# KiCad board SparkFun_GNSS_ZED-X20P_panelized.kicad_pcb
note: Designed by: N. Seidle
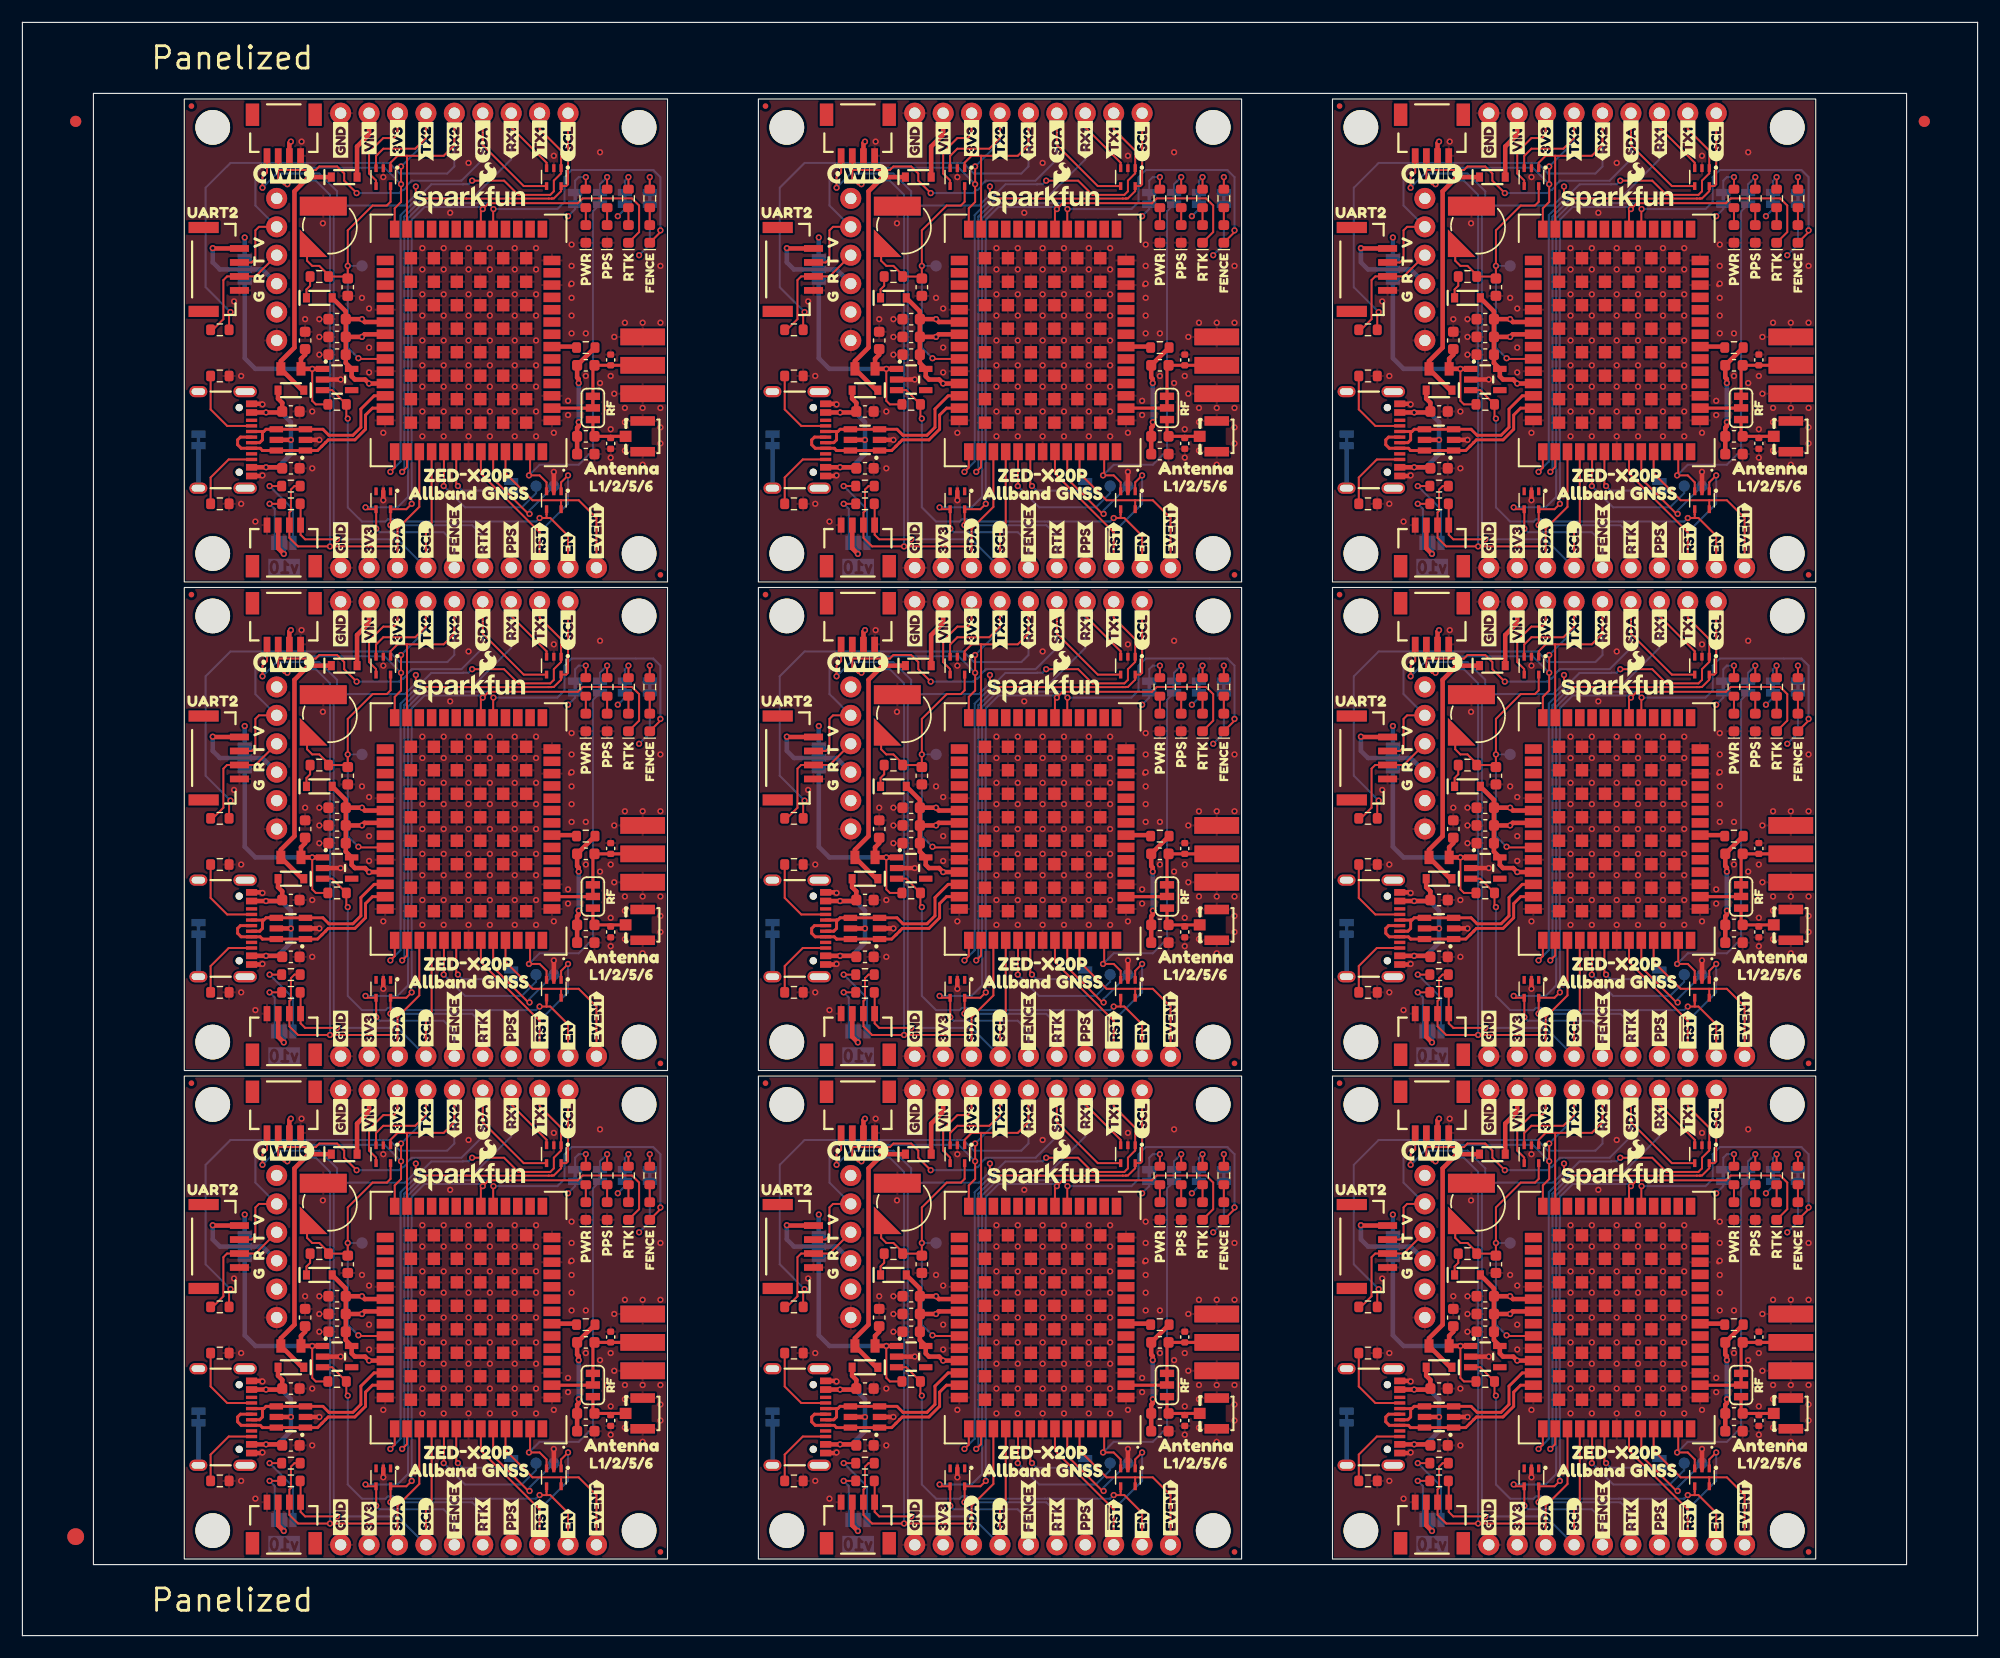
[diagram p0: board, top side]
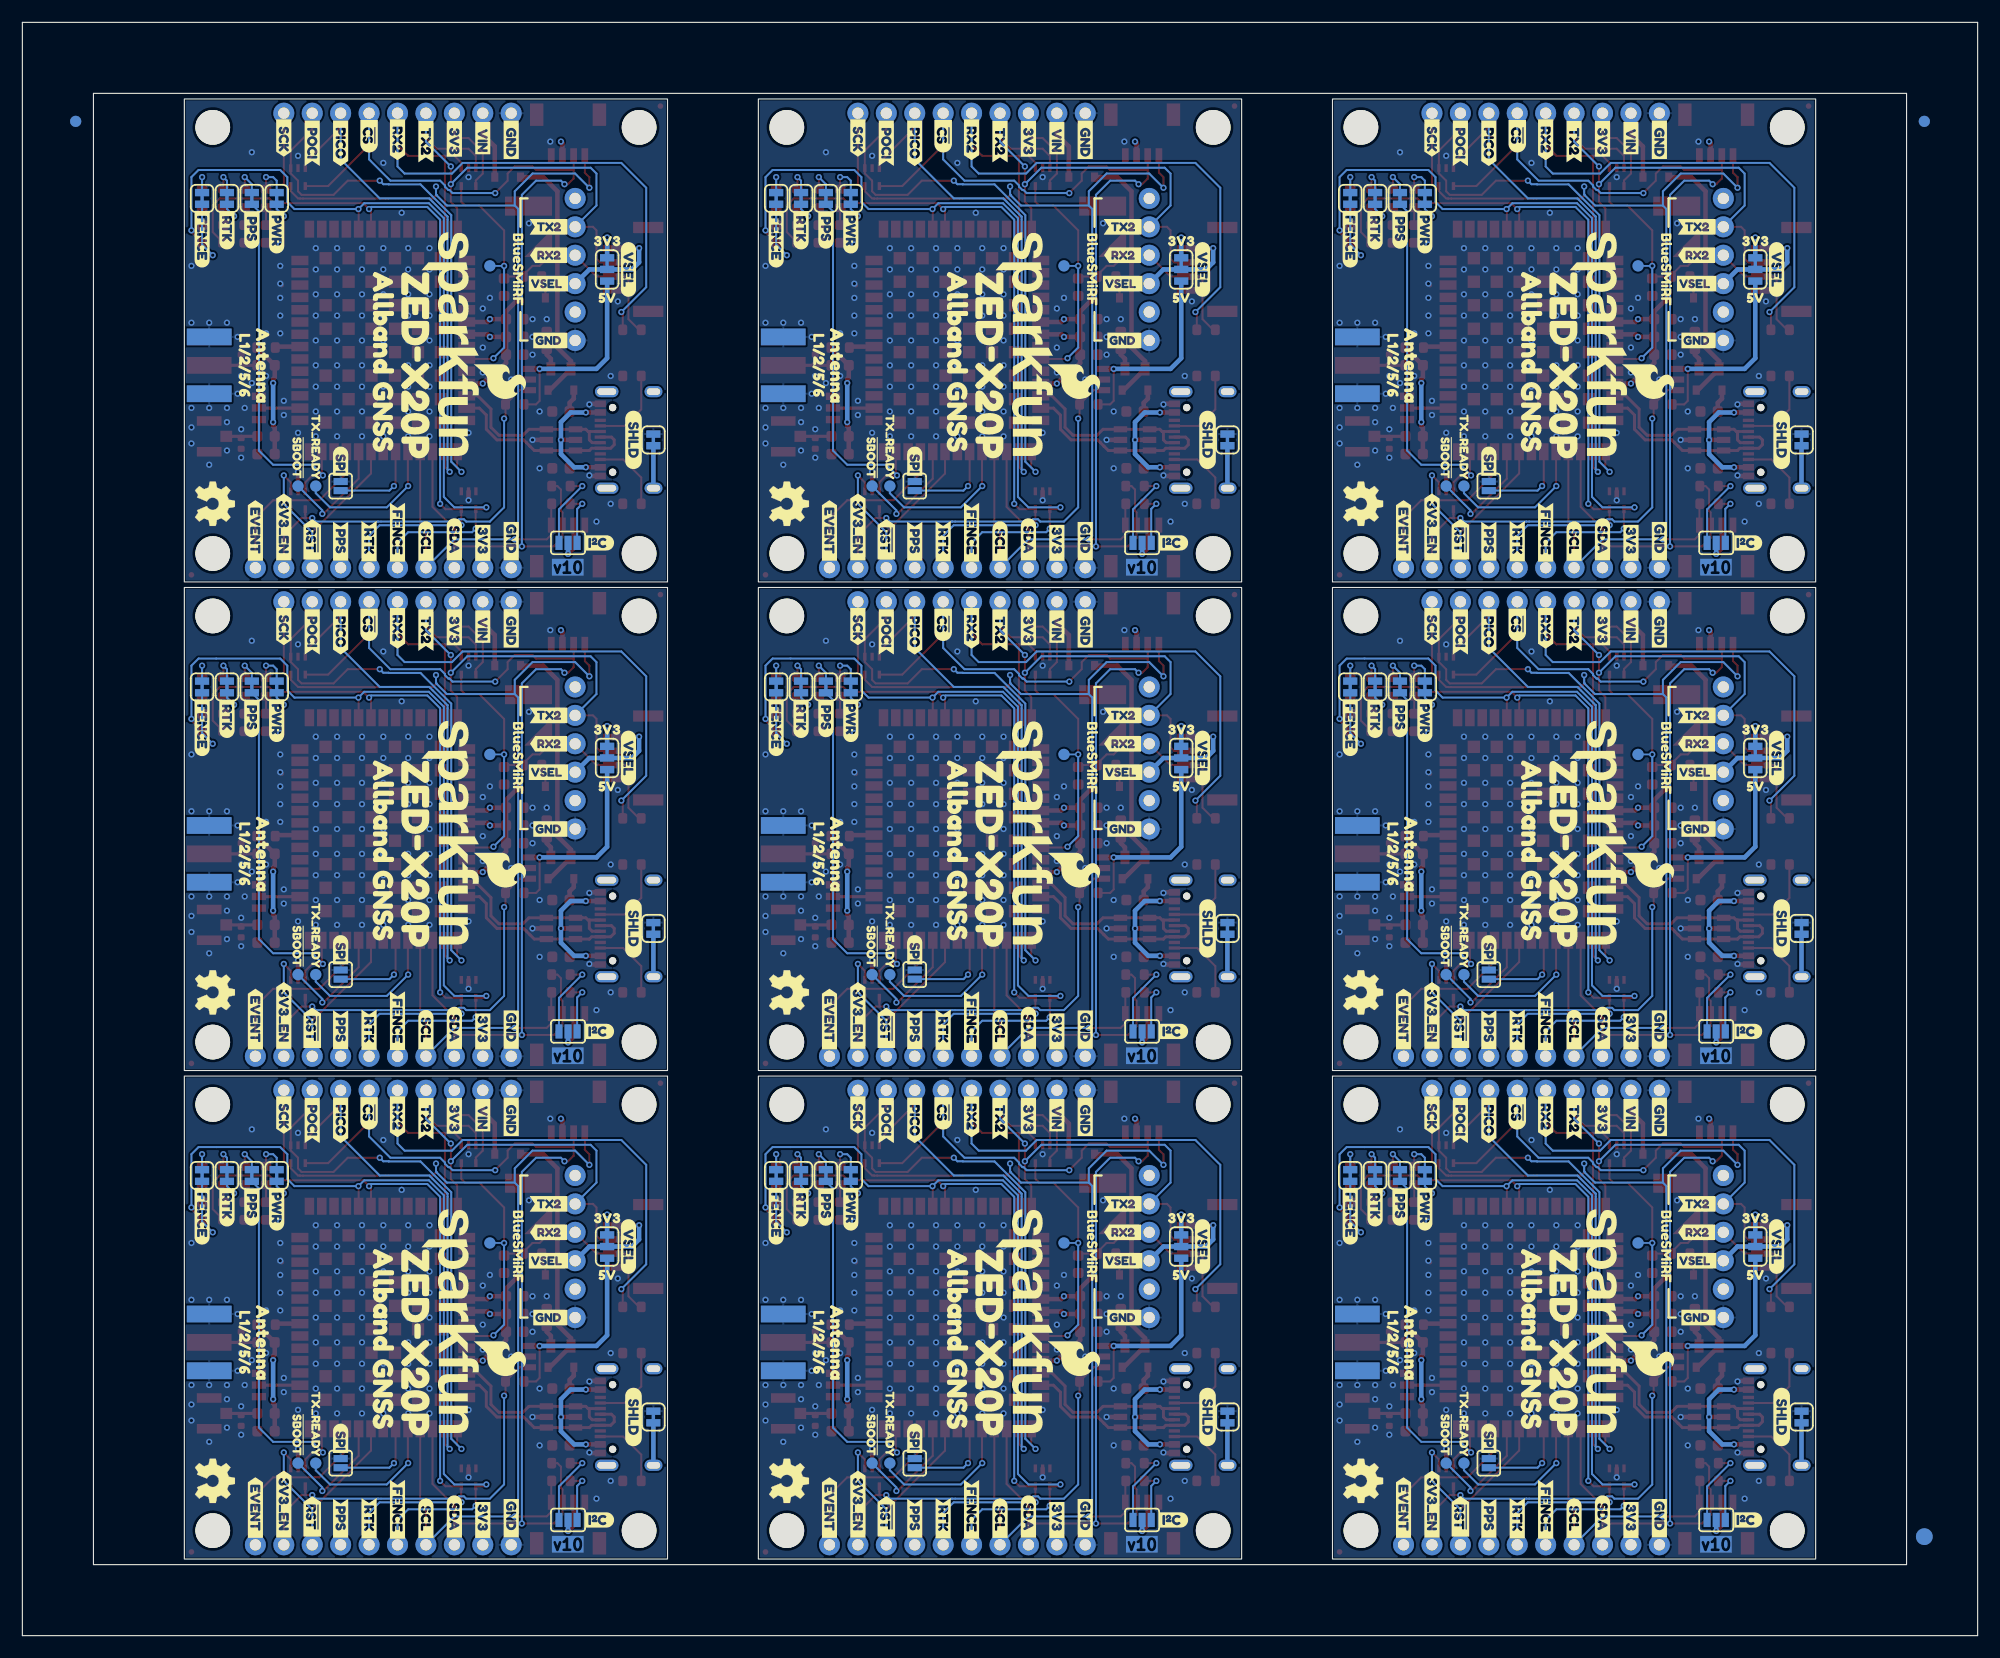
[diagram p1: board, bottom side, seen from below]

Outline 174.72 x 144.24 mm; copper layers: Top, L2.Cu, L3.Cu, Bottom. Coordinates in mm from the lower left corner of the outline.
Outline path: rectangle 14.47,137.39 57.65,94.21 ; rectangle 14.47,93.71 57.65,50.53 ; rectangle 14.47,50.03 57.65,6.85 ; rectangle 65.77,137.39 108.95,94.21 ; rectangle 65.77,93.71 108.95,50.53 ; rectangle 65.77,50.03 108.95,6.85 ; rectangle 117.07,137.39 160.25,94.21 ; rectangle 117.07,93.71 160.25,50.53 ; rectangle 117.07,50.03 160.25,6.85 ; 0,144.24 174.72,144.24 174.72,0 0,0 0,144.24 ; 6.35,137.89 168.37,137.89 168.37,6.35 6.35,6.35 6.35,137.89
Stack: Top 0.035mm / dielectric 0.1mm FR4 er 4.5 / L2.Cu 0.035mm / dielectric 1.24mm FR4 er 4.5 / L3.Cu 0.035mm / dielectric 0.1mm FR4 er 4.5 / Bottom 0.035mm

## Placement (name value [footprint] x y rotation side)
BT1  6.8mm_ML414H  [ML414H_IV01E]  27.49 38.6 180 top
BT1#2  6.8mm_ML414H  [ML414H_IV01E]  27.49 125.96 180 top
BT1#3  6.8mm_ML414H  [ML414H_IV01E]  27.49 82.28 180 top
BT1#4  6.8mm_ML414H  [ML414H_IV01E]  130.09 125.96 180 top
BT1#5  6.8mm_ML414H  [ML414H_IV01E]  78.79 125.96 180 top
BT1#6  6.8mm_ML414H  [ML414H_IV01E]  78.79 38.6 180 top
BT1#7  6.8mm_ML414H  [ML414H_IV01E]  78.79 82.28 180 top
BT1#8  6.8mm_ML414H  [ML414H_IV01E]  130.09 38.6 180 top
BT1#9  6.8mm_ML414H  [ML414H_IV01E]  130.09 82.28 180 top
C1  0.1uF  [C_0603_1608Metric]  25.27 28.44 90 top
C1#2  0.1uF  [C_0603_1608Metric]  76.56 28.44 90 top
C1#3  0.1uF  [C_0603_1608Metric]  25.27 72.12 90 top
C1#4  0.1uF  [C_0603_1608Metric]  25.27 115.8 90 top
C1#5  0.1uF  [C_0603_1608Metric]  127.87 115.8 90 top
C1#6  0.1uF  [C_0603_1608Metric]  127.87 28.44 90 top
C1#7  0.1uF  [C_0603_1608Metric]  76.56 72.12 90 top
C1#8  0.1uF  [C_0603_1608Metric]  76.56 115.8 90 top
C1#9  0.1uF  [C_0603_1608Metric]  127.87 72.12 90 top
C2  10uF  [C_0603_1608Metric]  28.12 27.17 180 top
C2#2  10uF  [C_0603_1608Metric]  130.72 27.17 180 top
C2#3  10uF  [C_0603_1608Metric]  130.72 114.53 180 top
C2#4  10uF  [C_0603_1608Metric]  28.12 70.85 180 top
C2#5  10uF  [C_0603_1608Metric]  79.42 70.85 180 top
C2#6  10uF  [C_0603_1608Metric]  79.42 27.17 180 top
C2#7  10uF  [C_0603_1608Metric]  28.12 114.53 180 top
C2#8  10uF  [C_0603_1608Metric]  79.42 114.53 180 top
C2#9  10uF  [C_0603_1608Metric]  130.72 70.85 180 top
C3  0.1uF  [C_0603_1608Metric]  50.35 18.28 0 top
C3#2  0.1uF  [C_0603_1608Metric]  50.35 61.96 0 top
C3#3  0.1uF  [C_0603_1608Metric]  101.65 105.64 0 top
C3#4  0.1uF  [C_0603_1608Metric]  152.95 61.96 0 top
C3#5  0.1uF  [C_0603_1608Metric]  50.35 105.64 0 top
C3#6  0.1uF  [C_0603_1608Metric]  101.65 18.28 0 top
C3#7  0.1uF  [C_0603_1608Metric]  101.65 61.96 0 top
C3#8  0.1uF  [C_0603_1608Metric]  152.95 18.28 0 top
C3#9  0.1uF  [C_0603_1608Metric]  152.95 105.64 0 top
C5  0.1uF  [C_0603_1608Metric]  28.12 116.12 180 top
C5#2  0.1uF  [C_0603_1608Metric]  79.42 72.44 180 top
C5#3  0.1uF  [C_0603_1608Metric]  130.72 28.76 180 top
C5#4  0.1uF  [C_0603_1608Metric]  28.12 72.44 180 top
C5#5  0.1uF  [C_0603_1608Metric]  79.42 28.76 180 top
C5#6  0.1uF  [C_0603_1608Metric]  79.42 116.12 180 top
C5#7  0.1uF  [C_0603_1608Metric]  130.72 72.44 180 top
C5#8  0.1uF  [C_0603_1608Metric]  130.72 116.12 180 top
C5#9  0.1uF  [C_0603_1608Metric]  28.12 28.76 180 top
C7  0.1uF  [C_0603_1608Metric]  24 22.09 0 top
C7#2  0.1uF  [C_0603_1608Metric]  24 65.77 0 top
C7#3  0.1uF  [C_0603_1608Metric]  75.3 65.77 0 top
C7#4  0.1uF  [C_0603_1608Metric]  75.3 109.45 0 top
C7#5  0.1uF  [C_0603_1608Metric]  126.59 65.77 0 top
C7#6  0.1uF  [C_0603_1608Metric]  75.3 22.09 0 top
C7#7  0.1uF  [C_0603_1608Metric]  126.59 22.09 0 top
C7#8  0.1uF  [C_0603_1608Metric]  126.59 109.45 0 top
C7#9  0.1uF  [C_0603_1608Metric]  24 109.45 0 top
C8  33pF  [C_0603_1608Metric]  28.12 30.34 180 top
C8#2  33pF  [C_0603_1608Metric]  28.12 74.03 180 top
C8#3  33pF  [C_0603_1608Metric]  130.72 117.7 180 top
C8#4  33pF  [C_0603_1608Metric]  79.42 74.03 180 top
C8#5  33pF  [C_0603_1608Metric]  79.42 117.7 180 top
C8#6  33pF  [C_0603_1608Metric]  79.42 30.34 180 top
C8#7  33pF  [C_0603_1608Metric]  130.72 74.03 180 top
C8#8  33pF  [C_0603_1608Metric]  130.72 30.34 180 top
C8#9  33pF  [C_0603_1608Metric]  28.12 117.7 180 top
C9  1.0uF  [C_0603_1608Metric]  29.08 76.88 270 top
C9#2  1.0uF  [C_0603_1608Metric]  80.38 76.88 270 top
C9#3  1.0uF  [C_0603_1608Metric]  131.68 33.2 270 top
C9#4  1.0uF  [C_0603_1608Metric]  131.68 76.88 270 top
C9#5  1.0uF  [C_0603_1608Metric]  131.68 120.56 270 top
C9#6  1.0uF  [C_0603_1608Metric]  80.38 33.2 270 top
C9#7  1.0uF  [C_0603_1608Metric]  29.08 120.56 270 top
C9#8  1.0uF  [C_0603_1608Metric]  80.38 120.56 270 top
C9#9  1.0uF  [C_0603_1608Metric]  29.08 33.2 270 top
C13  1.0uF  [C_0603_1608Metric]  24 17.01 0 top
C13#2  1.0uF  [C_0603_1608Metric]  75.3 104.37 0 top
C13#3  1.0uF  [C_0603_1608Metric]  24 104.37 0 top
C13#4  1.0uF  [C_0603_1608Metric]  75.3 17.01 0 top
C13#5  1.0uF  [C_0603_1608Metric]  24 60.69 0 top
C13#6  1.0uF  [C_0603_1608Metric]  75.3 60.69 0 top
C13#7  1.0uF  [C_0603_1608Metric]  126.59 17.01 0 top
C13#8  1.0uF  [C_0603_1608Metric]  126.59 104.37 0 top
C13#9  1.0uF  [C_0603_1608Metric]  126.59 60.69 0 top
D1  Red  [LED_0603_1608Metric_Red]  50.35 37.97 90 top
D1#2  Red  [LED_0603_1608Metric_Red]  50.35 125.33 90 top
D1#3  Red  [LED_0603_1608Metric_Red]  50.35 81.65 90 top
D1#4  Red  [LED_0603_1608Metric_Red]  152.95 37.97 90 top
D1#5  Red  [LED_0603_1608Metric_Red]  152.95 81.65 90 top
D1#6  Red  [LED_0603_1608Metric_Red]  101.65 37.97 90 top
D1#7  Red  [LED_0603_1608Metric_Red]  101.65 81.65 90 top
D1#8  Red  [LED_0603_1608Metric_Red]  101.65 125.33 90 top
D1#9  Red  [LED_0603_1608Metric_Red]  152.95 125.33 90 top
D2  White  [LED_0603_1608Metric_White]  54.16 37.97 90 top
D2#2  White  [LED_0603_1608Metric_White]  156.76 125.33 90 top
D2#3  White  [LED_0603_1608Metric_White]  105.46 37.97 90 top
D2#4  White  [LED_0603_1608Metric_White]  105.46 125.33 90 top
D2#5  White  [LED_0603_1608Metric_White]  156.76 37.97 90 top
D2#6  White  [LED_0603_1608Metric_White]  54.16 125.33 90 top
D2#7  White  [LED_0603_1608Metric_White]  156.76 81.65 90 top
D2#8  White  [LED_0603_1608Metric_White]  54.16 81.65 90 top
D2#9  White  [LED_0603_1608Metric_White]  105.46 81.65 90 top
D3  PESD0402  [C_0402_1005Metric]  103.87 114.06 270 top
D3#2  PESD0402  [C_0402_1005Metric]  52.57 70.38 270 top
D3#3  PESD0402  [C_0402_1005Metric]  52.57 114.06 270 top
D3#4  PESD0402  [C_0402_1005Metric]  103.87 26.7 270 top
D3#5  PESD0402  [C_0402_1005Metric]  103.87 70.38 270 top
D3#6  PESD0402  [C_0402_1005Metric]  155.17 70.38 270 top
D3#7  PESD0402  [C_0402_1005Metric]  155.17 26.7 270 top
D3#8  PESD0402  [C_0402_1005Metric]  155.17 114.06 270 top
D3#9  PESD0402  [C_0402_1005Metric]  52.57 26.7 270 top
D4  Yellow  [LED_0603_1608Metric_Yellow]  52.25 37.97 90 top
D4#2  Yellow  [LED_0603_1608Metric_Yellow]  103.55 125.33 90 top
D4#3  Yellow  [LED_0603_1608Metric_Yellow]  52.25 81.65 90 top
D4#4  Yellow  [LED_0603_1608Metric_Yellow]  52.25 125.33 90 top
D4#5  Yellow  [LED_0603_1608Metric_Yellow]  103.55 37.97 90 top
D4#6  Yellow  [LED_0603_1608Metric_Yellow]  103.55 81.65 90 top
D4#7  Yellow  [LED_0603_1608Metric_Yellow]  154.85 37.97 90 top
D4#8  Yellow  [LED_0603_1608Metric_Yellow]  154.85 81.65 90 top
D4#9  Yellow  [LED_0603_1608Metric_Yellow]  154.85 125.33 90 top
D5  PMEG4005EJ  [SOD-323]  26.53 32.25 0 top
D5#2  PMEG4005EJ  [SOD-323]  77.84 75.93 0 top
D5#3  PMEG4005EJ  [SOD-323]  26.53 75.93 0 top
D5#4  PMEG4005EJ  [SOD-323]  26.53 119.61 0 top
D5#5  PMEG4005EJ  [SOD-323]  77.84 32.25 0 top
D5#6  PMEG4005EJ  [SOD-323]  77.84 119.61 0 top
D5#7  PMEG4005EJ  [SOD-323]  129.13 119.61 0 top
D5#8  PMEG4005EJ  [SOD-323]  129.13 32.25 0 top
D5#9  PMEG4005EJ  [SOD-323]  129.13 75.93 0 top
D6  BAT60A  [SOD-323]  24 24 180 top
D6#2  BAT60A  [SOD-323]  24 111.36 180 top
D6#3  BAT60A  [SOD-323]  75.3 67.68 180 top
D6#4  BAT60A  [SOD-323]  24 67.68 180 top
D6#5  BAT60A  [SOD-323]  75.3 24 180 top
D6#6  BAT60A  [SOD-323]  126.59 67.68 180 top
D6#7  BAT60A  [SOD-323]  126.59 24 180 top
D6#8  BAT60A  [SOD-323]  75.3 111.36 180 top
D6#9  BAT60A  [SOD-323]  126.59 111.36 180 top
D7  BAT60A  [SOD-323]  28.76 43.05 0 top
D7#2  BAT60A  [SOD-323]  28.76 130.41 0 top
D7#3  BAT60A  [SOD-323]  80.06 130.41 0 top
D7#4  BAT60A  [SOD-323]  28.76 86.72 0 top
D7#5  BAT60A  [SOD-323]  80.06 43.05 0 top
D7#6  BAT60A  [SOD-323]  80.06 86.72 0 top
D7#7  BAT60A  [SOD-323]  131.36 43.05 0 top
D7#8  BAT60A  [SOD-323]  131.36 130.41 0 top
D7#9  BAT60A  [SOD-323]  131.36 86.72 0 top
D8  DF5A5.6LFU  [SOT-353]  32.25 43.05 270 top
D8#2  DF5A5.6LFU  [SOT-353]  32.25 130.41 270 top
D8#3  DF5A5.6LFU  [SOT-353]  83.55 86.72 270 top
D8#4  DF5A5.6LFU  [SOT-353]  32.25 86.72 270 top
D8#5  DF5A5.6LFU  [SOT-353]  83.55 43.05 270 top
D8#6  DF5A5.6LFU  [SOT-353]  134.85 86.72 270 top
D8#7  DF5A5.6LFU  [SOT-353]  83.55 130.41 270 top
D8#8  DF5A5.6LFU  [SOT-353]  134.85 130.41 270 top
D8#9  DF5A5.6LFU  [SOT-353]  134.85 43.05 270 top
D9  Blue  [LED_0603_1608Metric_Blue]  56.06 37.97 90 top
D9#2  Blue  [LED_0603_1608Metric_Blue]  107.36 125.33 90 top
D9#3  Blue  [LED_0603_1608Metric_Blue]  158.66 125.33 90 top
D9#4  Blue  [LED_0603_1608Metric_Blue]  107.36 81.65 90 top
D9#5  Blue  [LED_0603_1608Metric_Blue]  56.06 125.33 90 top
D9#6  Blue  [LED_0603_1608Metric_Blue]  56.06 81.65 90 top
D9#7  Blue  [LED_0603_1608Metric_Blue]  158.66 37.97 90 top
D9#8  Blue  [LED_0603_1608Metric_Blue]  107.36 37.97 90 top
D9#9  Blue  [LED_0603_1608Metric_Blue]  158.66 81.65 90 top
D10  DF5A5.6LFU  [SOT-353]  47.49 43.05 270 top
D10#2  DF5A5.6LFU  [SOT-353]  47.49 86.72 270 top
D10#3  DF5A5.6LFU  [SOT-353]  98.79 86.72 270 top
D10#4  DF5A5.6LFU  [SOT-353]  47.49 130.41 270 top
D10#5  DF5A5.6LFU  [SOT-353]  98.79 43.05 270 top
D10#6  DF5A5.6LFU  [SOT-353]  150.09 43.05 270 top
D10#7  DF5A5.6LFU  [SOT-353]  150.09 86.72 270 top
D10#8  DF5A5.6LFU  [SOT-353]  98.79 130.41 270 top
D10#9  DF5A5.6LFU  [SOT-353]  150.09 130.41 270 top
D12  DF5A5.6LFU  [SOT-353]  98.79 101.51 270 top
D12#2  DF5A5.6LFU  [SOT-353]  47.49 14.15 270 top
D12#3  DF5A5.6LFU  [SOT-353]  47.49 101.51 270 top
D12#4  DF5A5.6LFU  [SOT-353]  47.49 57.83 270 top
D12#5  DF5A5.6LFU  [SOT-353]  150.09 57.83 270 top
D12#6  DF5A5.6LFU  [SOT-353]  150.09 14.15 270 top
D12#7  DF5A5.6LFU  [SOT-353]  98.79 14.15 270 top
D12#8  DF5A5.6LFU  [SOT-353]  150.09 101.51 270 top
D12#9  DF5A5.6LFU  [SOT-353]  98.79 57.83 270 top
D13  DF5A5.6LFU  [SOT-353]  32.25 101.51 270 top
D13#2  DF5A5.6LFU  [SOT-353]  83.55 57.83 270 top
D13#3  DF5A5.6LFU  [SOT-353]  32.25 57.83 270 top
D13#4  DF5A5.6LFU  [SOT-353]  83.55 14.15 270 top
D13#5  DF5A5.6LFU  [SOT-353]  83.55 101.51 270 top
D13#6  DF5A5.6LFU  [SOT-353]  134.85 57.83 270 top
D13#7  DF5A5.6LFU  [SOT-353]  134.85 101.51 270 top
D13#8  DF5A5.6LFU  [SOT-353]  134.85 14.15 270 top
D13#9  DF5A5.6LFU  [SOT-353]  32.25 14.15 270 top
D14  PESD0402  [C_0402_1005Metric]  103.87 106.59 90 top
D14#2  PESD0402  [C_0402_1005Metric]  52.57 19.23 90 top
D14#3  PESD0402  [C_0402_1005Metric]  52.57 62.91 90 top
D14#4  PESD0402  [C_0402_1005Metric]  52.57 106.59 90 top
D14#5  PESD0402  [C_0402_1005Metric]  103.87 62.91 90 top
D14#6  PESD0402  [C_0402_1005Metric]  103.87 19.23 90 top
D14#7  PESD0402  [C_0402_1005Metric]  155.17 19.23 90 top
D14#8  PESD0402  [C_0402_1005Metric]  155.17 106.59 90 top
D14#9  PESD0402  [C_0402_1005Metric]  155.17 62.91 90 top
F1  6V/0.5A/1A  [0805]  24 25.9 180 top
F1#2  6V/0.5A/1A  [0805]  24 69.58 180 top
F1#3  6V/0.5A/1A  [0805]  75.3 25.9 180 top
F1#4  6V/0.5A/1A  [0805]  24 113.26 180 top
F1#5  6V/0.5A/1A  [0805]  126.59 113.26 180 top
F1#6  6V/0.5A/1A  [0805]  126.59 25.9 180 top
F1#7  6V/0.5A/1A  [0805]  75.3 113.26 180 top
F1#8  6V/0.5A/1A  [0805]  75.3 69.58 180 top
F1#9  6V/0.5A/1A  [0805]  126.59 69.58 180 top
FID3  Fiducial_0.5mm  [Fiducial_0.5mm_Mask1mm]  15.1 136.75 0 top
FID3#2  Fiducial_0.5mm  [Fiducial_0.5mm_Mask1mm]  66.41 93.08 0 top
FID3#3  Fiducial_0.5mm  [Fiducial_0.5mm_Mask1mm]  66.41 49.39 0 top
FID3#4  Fiducial_0.5mm  [Fiducial_0.5mm_Mask1mm]  15.1 93.08 0 top
FID3#5  Fiducial_0.5mm  [Fiducial_0.5mm_Mask1mm]  117.71 93.08 0 top
FID3#6  Fiducial_0.5mm  [Fiducial_0.5mm_Mask1mm]  117.71 49.39 0 top
FID3#7  Fiducial_0.5mm  [Fiducial_0.5mm_Mask1mm]  117.71 136.75 0 top
FID3#8  Fiducial_0.5mm  [Fiducial_0.5mm_Mask1mm]  66.41 136.75 0 top
FID3#9  Fiducial_0.5mm  [Fiducial_0.5mm_Mask1mm]  15.1 49.39 0 top
FID4  Fiducial_0.5mm  [Fiducial_0.5mm_Mask1mm]  57.02 94.84 0 top
FID4#2  Fiducial_0.5mm  [Fiducial_0.5mm_Mask1mm]  159.61 94.84 0 top
FID4#3  Fiducial_0.5mm  [Fiducial_0.5mm_Mask1mm]  108.31 7.48 0 top
FID4#4  Fiducial_0.5mm  [Fiducial_0.5mm_Mask1mm]  108.31 94.84 0 top
FID4#5  Fiducial_0.5mm  [Fiducial_0.5mm_Mask1mm]  159.61 7.48 0 top
FID4#6  Fiducial_0.5mm  [Fiducial_0.5mm_Mask1mm]  108.31 51.17 0 top
FID4#7  Fiducial_0.5mm  [Fiducial_0.5mm_Mask1mm]  159.61 51.17 0 top
FID4#8  Fiducial_0.5mm  [Fiducial_0.5mm_Mask1mm]  57.02 7.48 0 top
FID4#9  Fiducial_0.5mm  [Fiducial_0.5mm_Mask1mm]  57.02 51.17 0 top
G1  OSHW_Logo  [Creative_Commons_License]  111.62 -35.06 0 top
G***  LOGO  [qwiic_5.5mm]  125.96 130.72 0 top
G***#2  LOGO  [qwiic_5.5mm]  125.96 43.36 0 top
G***#3  LOGO  [qwiic_5.5mm]  125.96 87.04 0 top
G***#4  LOGO  [qwiic_5.5mm]  74.66 130.72 0 top
G***#5  LOGO  [qwiic_5.5mm]  23.36 87.04 0 top
G***#6  LOGO  [qwiic_5.5mm]  23.36 130.72 0 top
G***#7  LOGO  [qwiic_5.5mm]  74.66 43.36 0 top
G***#8  LOGO  [qwiic_5.5mm]  74.66 87.04 0 top
G***#9  LOGO  [qwiic_5.5mm]  23.36 43.36 0 top
G***#10  LOGO  [SparkFun_Logo_10mm]  39.87 41.14 0 top
G***#11  LOGO  [SparkFun_Logo_10mm]  91.17 41.14 0 top
G***#12  LOGO  [SparkFun_Logo_10mm]  91.17 128.5 0 top
G***#13  LOGO  [SparkFun_Logo_10mm]  142.47 41.14 0 top
G***#14  LOGO  [SparkFun_Logo_10mm]  39.87 128.5 0 top
G***#15  LOGO  [SparkFun_Logo_10mm]  39.87 84.82 0 top
G***#16  LOGO  [SparkFun_Logo_10mm]  91.17 84.82 0 top
G***#17  LOGO  [SparkFun_Logo_10mm]  142.47 84.82 0 top
G***#18  LOGO  [SparkFun_Logo_10mm]  142.47 128.5 0 top
G***#19  LOGO  [SparkFun_Logo_20mm]  136.12 72.12 270 bottom
G***#20  LOGO  [SparkFun_Logo_20mm]  33.52 28.44 270 bottom
G***#21  LOGO  [SparkFun_Logo_20mm]  33.52 115.8 270 bottom
G***#22  LOGO  [SparkFun_Logo_20mm]  33.52 72.12 270 bottom
G***#23  LOGO  [SparkFun_Logo_20mm]  136.12 115.8 270 bottom
G***#24  LOGO  [SparkFun_Logo_20mm]  136.12 28.44 270 bottom
G***#25  LOGO  [SparkFun_Logo_20mm]  84.82 72.12 270 bottom
G***#26  LOGO  [SparkFun_Logo_20mm]  84.82 28.44 270 bottom
G***#27  LOGO  [SparkFun_Logo_20mm]  84.82 115.8 270 bottom
J1  USB_C_Receptacle  [USB-C_16]  20.82 106.91 270 top
J1#2  USB_C_Receptacle  [USB-C_16]  20.82 63.23 270 top
J1#3  USB_C_Receptacle  [USB-C_16]  72.12 19.55 270 top
J1#4  USB_C_Receptacle  [USB-C_16]  123.42 106.91 270 top
J1#5  USB_C_Receptacle  [USB-C_16]  123.42 63.23 270 top
J1#6  USB_C_Receptacle  [USB-C_16]  123.42 19.55 270 top
J1#7  USB_C_Receptacle  [USB-C_16]  72.12 63.23 270 top
J1#8  USB_C_Receptacle  [USB-C_16]  72.12 106.91 270 top
J1#9  USB_C_Receptacle  [USB-C_16]  20.82 19.55 270 top
J2  Conn_01x06  [1x06]  22.72 41.14 270 top
J2#2  Conn_01x06  [1x06]  22.72 128.5 270 top
J2#3  Conn_01x06  [1x06]  74.03 41.14 270 top
J2#4  Conn_01x06  [1x06]  22.72 84.82 270 top
J2#5  Conn_01x06  [1x06]  74.03 84.82 270 top
J2#6  Conn_01x06  [1x06]  125.33 41.14 270 top
J2#7  Conn_01x06  [1x06]  125.33 84.82 270 top
J2#8  Conn_01x06  [1x06]  125.33 128.5 270 top
J2#9  Conn_01x06  [1x06]  74.03 128.5 270 top
J3  Conn_01x09  [1x09]  48.76 48.76 180 top
J3#2  Conn_01x09  [1x09]  100.06 92.44 180 top
J3#3  Conn_01x09  [1x09]  48.76 92.44 180 top
J3#4  Conn_01x09  [1x09]  100.06 48.76 180 top
J3#5  Conn_01x09  [1x09]  48.76 136.12 180 top
J3#6  Conn_01x09  [1x09]  100.06 136.12 180 top
J3#7  Conn_01x09  [1x09]  151.36 92.44 180 top
J3#8  Conn_01x09  [1x09]  151.36 48.76 180 top
J3#9  Conn_01x09  [1x09]  151.36 136.12 180 top
J4  Qwiic_RA  [JST_SMD_1.0mm-4_Black]  23.36 11.93 0 top
J4#2  Qwiic_RA  [JST_SMD_1.0mm-4_Black]  125.96 55.61 0 top
J4#3  Qwiic_RA  [JST_SMD_1.0mm-4_Black]  74.66 99.29 0 top
J4#4  Qwiic_RA  [JST_SMD_1.0mm-4_Black]  23.36 55.61 0 top
J4#5  Qwiic_RA  [JST_SMD_1.0mm-4_Black]  23.36 99.29 0 top
J4#6  Qwiic_RA  [JST_SMD_1.0mm-4_Black]  74.66 55.61 0 top
J4#7  Qwiic_RA  [JST_SMD_1.0mm-4_Black]  74.66 11.93 0 top
J4#8  Qwiic_RA  [JST_SMD_1.0mm-4_Black]  125.96 11.93 0 top
J4#9  Qwiic_RA  [JST_SMD_1.0mm-4_Black]  125.96 99.29 0 top
J5  -  [SMA_Edge]  55.43 113.58 270 top
J5#2  -  [SMA_Edge]  158.03 26.22 270 top
J5#3  -  [SMA_Edge]  158.03 69.9 270 top
J5#4  -  [SMA_Edge]  106.73 113.58 270 top
J5#5  -  [SMA_Edge]  55.43 69.9 270 top
J5#6  -  [SMA_Edge]  106.73 69.9 270 top
J5#7  -  [SMA_Edge]  106.73 26.22 270 top
J5#8  -  [SMA_Edge]  158.03 113.58 270 top
J5#9  -  [SMA_Edge]  55.43 26.22 270 top
J7  Qwiic_RA  [JST_SMD_1.0mm-4_Black]  23.36 44.95 180 top
J7#2  Qwiic_RA  [JST_SMD_1.0mm-4_Black]  74.66 44.95 180 top
J7#3  Qwiic_RA  [JST_SMD_1.0mm-4_Black]  74.66 132.31 180 top
J7#4  Qwiic_RA  [JST_SMD_1.0mm-4_Black]  23.36 88.63 180 top
J7#5  Qwiic_RA  [JST_SMD_1.0mm-4_Black]  23.36 132.31 180 top
J7#6  Qwiic_RA  [JST_SMD_1.0mm-4_Black]  74.66 88.63 180 top
J7#7  Qwiic_RA  [JST_SMD_1.0mm-4_Black]  125.96 44.95 180 top
J7#8  Qwiic_RA  [JST_SMD_1.0mm-4_Black]  125.96 88.63 180 top
J7#9  Qwiic_RA  [JST_SMD_1.0mm-4_Black]  125.96 132.31 180 top
J8  JST_Locking_4  [JST_SMD_1.25mm-4_Locking]  17.65 34.79 270 top
J8#2  JST_Locking_4  [JST_SMD_1.25mm-4_Locking]  17.65 78.47 270 top
J8#3  JST_Locking_4  [JST_SMD_1.25mm-4_Locking]  68.94 34.79 270 top
J8#4  JST_Locking_4  [JST_SMD_1.25mm-4_Locking]  68.94 122.15 270 top
J8#5  JST_Locking_4  [JST_SMD_1.25mm-4_Locking]  120.25 78.47 270 top
J8#6  JST_Locking_4  [JST_SMD_1.25mm-4_Locking]  120.25 34.79 270 top
J8#7  JST_Locking_4  [JST_SMD_1.25mm-4_Locking]  68.94 78.47 270 top
J8#8  JST_Locking_4  [JST_SMD_1.25mm-4_Locking]  120.25 122.15 270 top
J8#9  JST_Locking_4  [JST_SMD_1.25mm-4_Locking]  17.65 122.15 270 top
J9  I2C  [1x04]  28.44 51.8 0 top
J9#2  I2C  [1x04]  79.74 95.48 0 top
J9#3  I2C  [1x04]  28.44 95.48 0 top
J9#4  I2C  [1x04]  79.74 8.12 0 top
J9#5  I2C  [1x04]  131.04 51.8 0 top
J9#6  I2C  [1x04]  131.04 8.12 0 top
J9#7  I2C  [1x04]  79.74 51.8 0 top
J9#8  I2C  [1x04]  131.04 95.48 0 top
J9#9  I2C  [1x04]  28.44 8.12 0 top
J10  -  [U.FL]  55.43 19.87 180 top
J10#2  -  [U.FL]  55.43 107.23 180 top
J10#3  -  [U.FL]  106.73 63.55 180 top
J10#4  -  [U.FL]  158.03 63.55 180 top